# Altium PCB MB1936.PcbDoc (part 13 of 13)
Units mm, origin at the board's own origin, x right, y up, seen from the top; angles counter-clockwise.
Board outline 172 x 137 mm, 6 copper layers (Top Layer, Signal Layer 1, Signal Layer 2, Signal Layer 3, Signal Layer 4, Bottom Layer), stack 1.549 mm thick; 859 components, 672 nets, 3477 pads, 2222 vias.
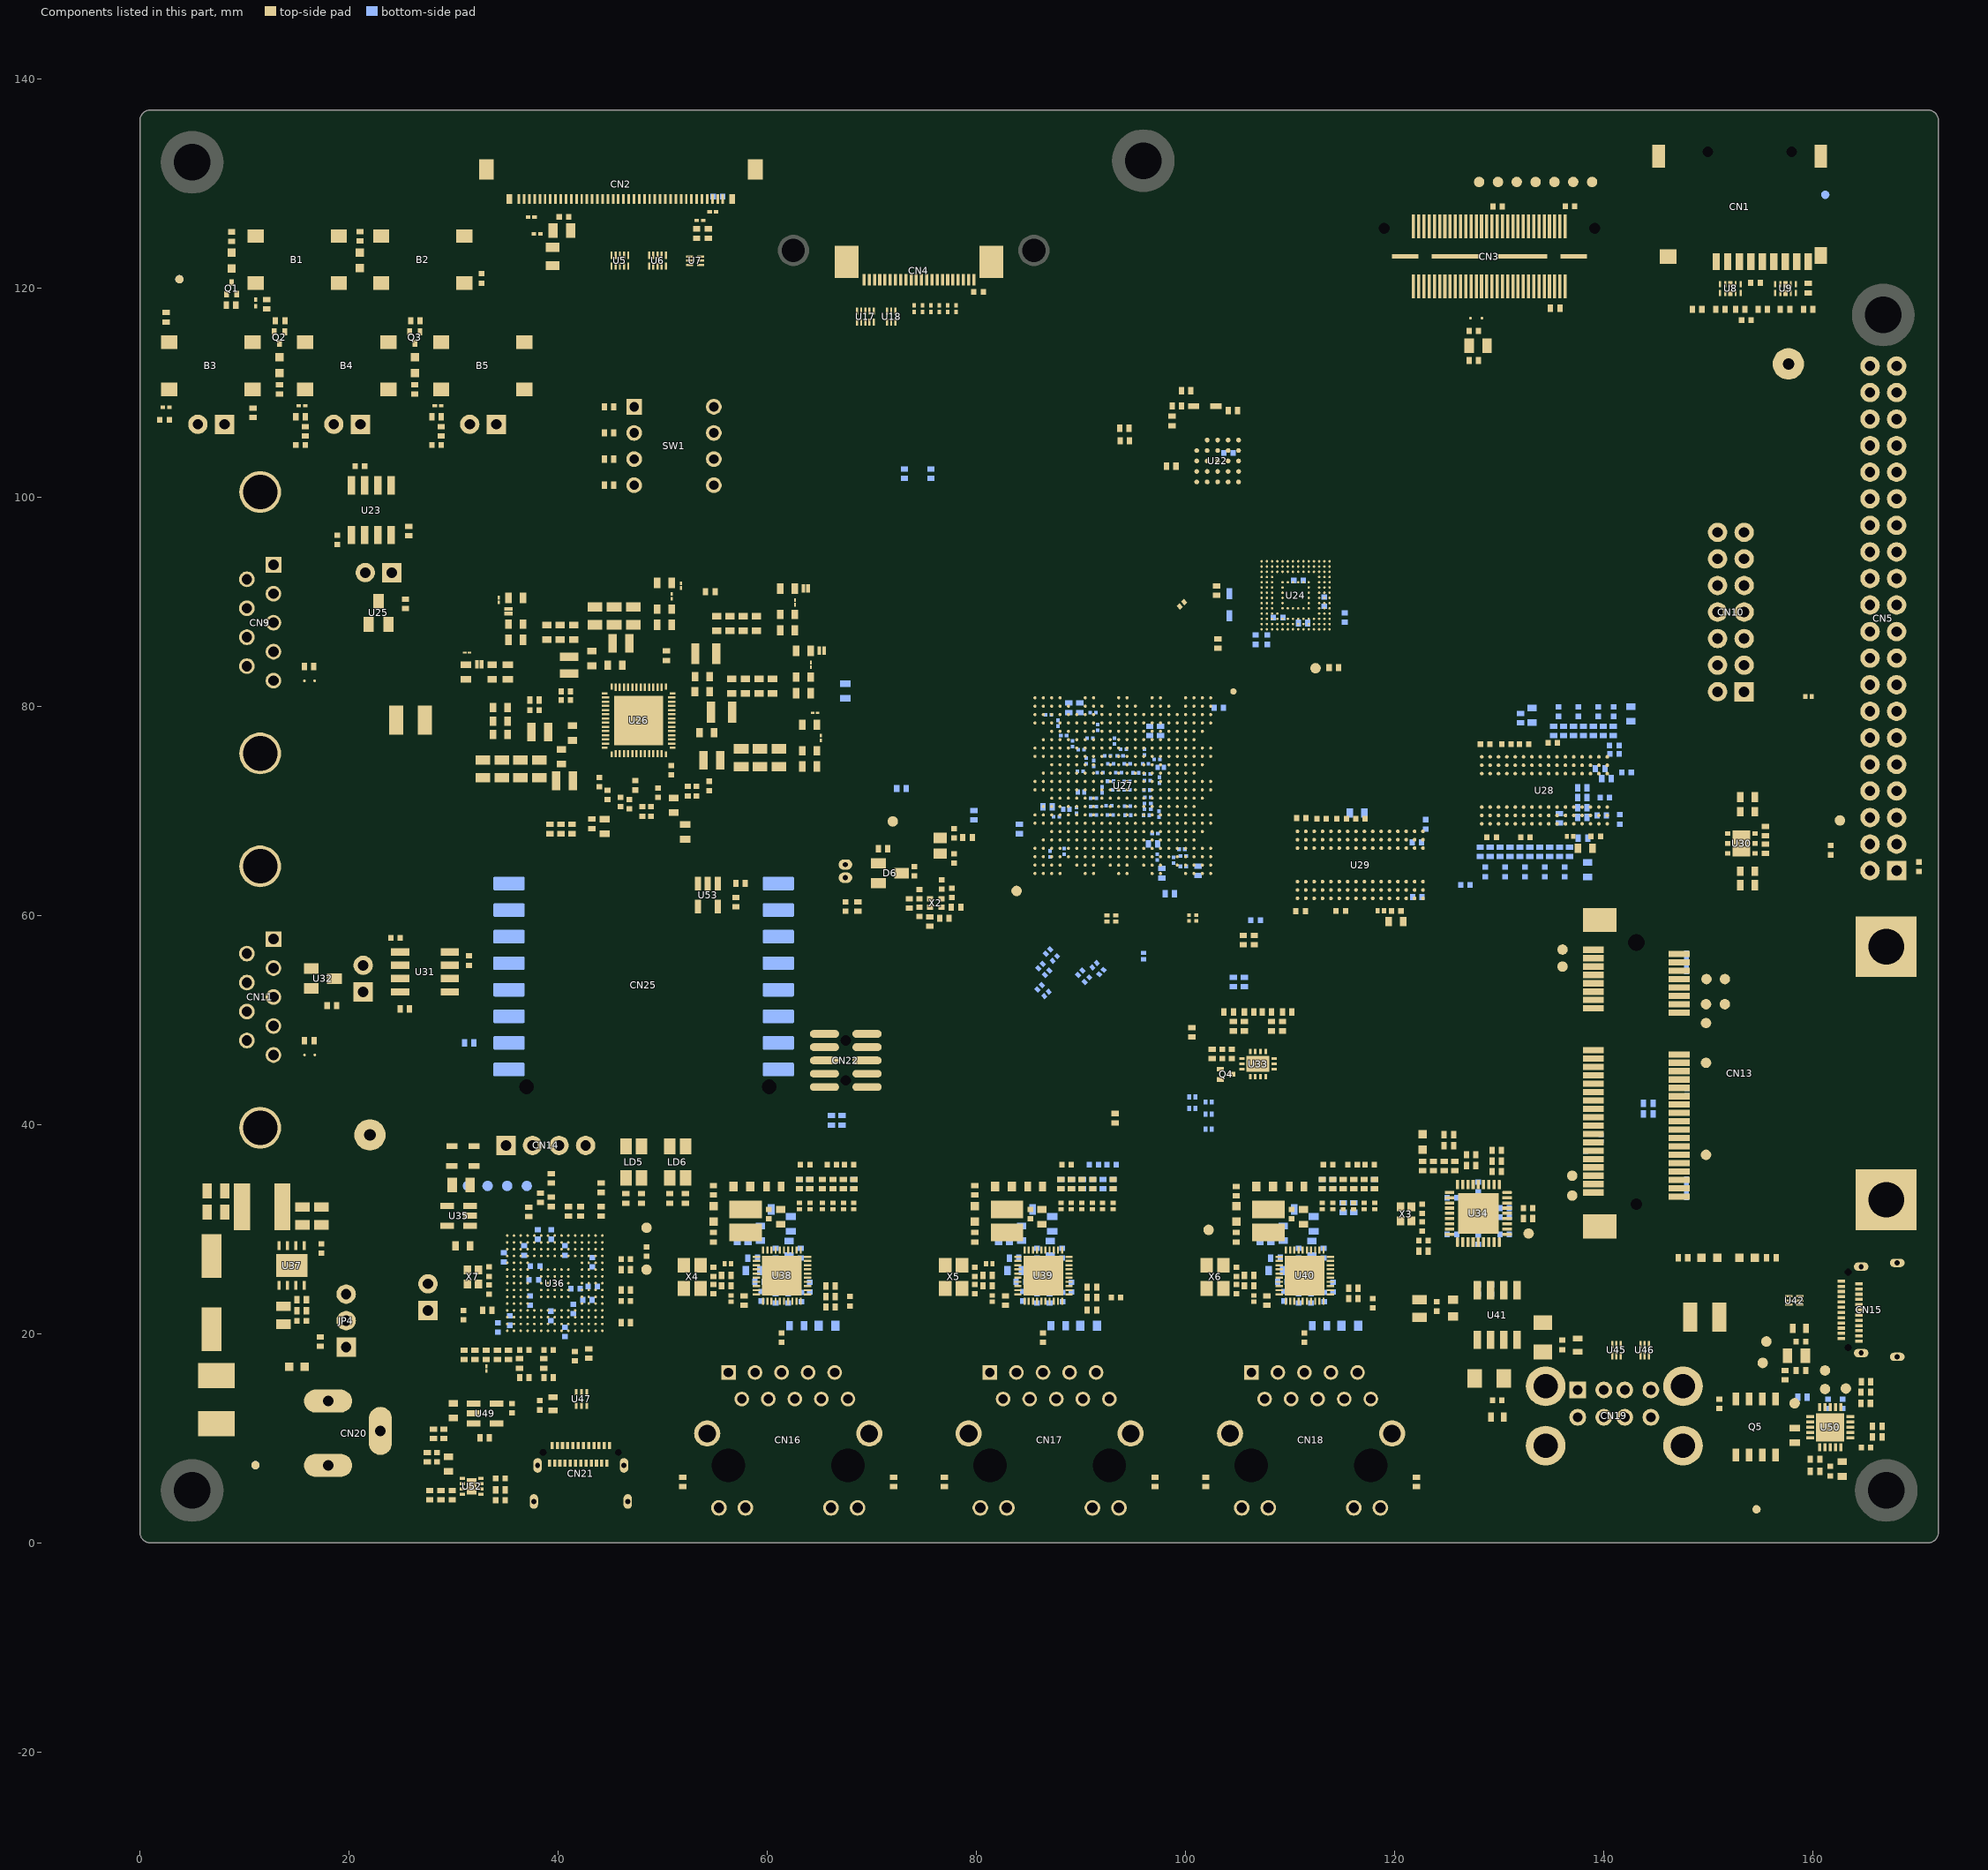
[diagram p17: the components of this part, seen from the top]

## Other copper
Top Layer:
  region net I_SENS_VDDGPU_N: 64.475,84 63.835,84 63.835,82.673 64.475,82.673
  rectangle net VDDGPU: 63.835,83.975 64.475,85.277
  region net I_SENS_VDDCORE_N: 62.95,89.95 62.31,89.95 62.31,88.973 62.95,88.973
  rectangle net VDDCORE: 62.31,89.924 62.95,90.875
  rectangle net VDDGPU: 64.4,84.9 64.95,85.7
  rectangle net VDDCORE: 62.875,90.875 63.425,91.675
  rectangle net 5V_VIN: 38.5,120.925 40.45,122.55
  rectangle net 5V_VIN: 121.675,22.8 123.075,25.2
  rectangle net 5V_VIN: 150.765,7.775 154.32,12.225
  region net NetL2_1: 51.225,80.352 51.55,80.352 52.025,80.827 52.025,83.102 52.027,83.135 52.036,83.166 52.049,83.197 52.064,83.226 52.083,83.254 52.103,83.279 52.127,83.303 52.151,83.323 52.18,83.342 52.208,83.357 52.239,83.37 52.27,83.38 52.303,83.386 52.337,83.389 52.475,83.527 52.475,83.577 52.475,83.651 cw(c52.85,83.651) 52.85,84.026 52.85,86.027 51.62,86.027 ccw(c51.8,85.727) 51.45,85.727 51.45,82.152 51.47,82.149 51.597,82.096 51.709,81.984 51.77,81.837 51.77,81.677 51.725,81.569 51.725,81.018 51.705,80.921 51.65,80.838 51.47,80.658 51.314,80.502 51.225,80.502
  region net NetL1_1: 46.772,84.702 ccw(c46.469,84.71) 46.678,84.929 46.655,84.952 46.655,85.014 46.726,85.021 ccw(c46.725,85.021) 46.725,85.022 46.875,84.902
  region net GND: 51.425,78.827 51.35,78.752 51.272,78.752 cw(c51.272,78.625) 51.362,78.715 51.388,78.689 ccw(c51.478,78.779) 51.478,78.652 52.147,78.652 cw(c52.147,78.525) 52.237,78.615 52.3,78.552 52.429,78.681 cw(c52.48,78.63) 52.48,78.702
  region net 5V_VIN: 53.525,82.152 53.525,83.227 52.352,83.227 ccw(c52.352,83.055) 52.18,83.054 52.18,80.646 51.706,80.172 51.47,80.172 51.47,79.907 52.076,79.907 52.547,80.378 52.549,80.365 52.55,80.366 52.55,81.486 52.539,81.497 52.496,81.563 52.465,81.635 52.45,81.713 52.45,81.827 cw(c52.813,81.789) 52.775,82.152
  region net 5V_VIN: 44.43,83.351 44.331,83.252 43.975,83.252 cw(c43.975,83.602) 43.625,83.602 43.625,83.652 42.9,83.652 ccw(c42.9,83.577) 42.825,83.577 42.825,83.227 ccw(c43.027,83.224) 43.025,83.022 45.65,83.022 46.05,82.627 46.312,82.627 45.591,83.348 45.325,83.352
  region net GND: 44.1,82.512 44.007,82.512 ccw(c44.007,82.411) 43.935,82.482 43.655,82.202 ccw(c43.727,82.13) 43.625,82.13 43.625,81.802 44.125,81.802 cw(c44.523,81.809) 44.515,82.207 44.775,82.202 ccw(c44.775,82.25) 44.809,82.216 44.905,82.312
  pour cut-out: 29.525,11.23 29.525,9.62 29.505,9.6 29.1,9.6 28.805,9.305 28.805,7.521 27.074,7.521 26.975,7.62 26.975,8.975 27.62,9.62 27.62,11.23
  region net NetL4_1: 53.725,80.427 53.725,78.427 54.634,78.427 54.634,80.427
  region net NetL3_1: 41.775,81.802 40.588,82.989 41.688,82.989 41.775,82.902 45.38,82.902 45.62,82.662 43.99,82.662 43.968,82.66 43.948,82.656 43.92,82.647 43.901,82.64 43.875,82.626 43.858,82.615 43.835,82.596 43.541,82.301 43.522,82.279 43.511,82.262 43.502,82.246 43.49,82.217 43.486,82.205 43.481,82.189 43.477,82.169 43.476,82.154 43.474,82.14 43.474,81.802
  region net NetL3_1: 42.983,82.872 42.954,82.875 42.925,82.884 42.851,82.916 42.825,82.93 42.803,82.949 42.747,83.007 42.728,83.03 42.714,83.056 42.688,83.121 42.681,83.143 42.658,83.174 42.633,83.194 42.597,83.218 42.551,83.227 41.775,83.227 41.775,82.09
  region net NetL7_1: 42.075,73.177 41.775,72.877 41,72.877 41,73.777 42.075,74.847
  region net NetL1_1: 47.195,85.102 46.85,84.757 46.395,85.212 46.395,86.902 47.195,86.902
  region net NetL5_1: 38.625,78.775 38.85,79 40.225,79 40.225,77.15 39.702,76.627 39.425,76.627 38.625,76.627
  region net I_SENS_1V8_N: 50.535,90.475 50.535,89.277 51.175,89.277 51.175,90.475
  region net I_SENS_VDDIO_N: 65.025,76.975 64.435,76.385 64.435,76.172 65.075,76.172 65.803,76.9 65.902,76.9 65.827,76.975
  region net VDDIO: 65.827,76.975 65.902,76.9 66,76.9 66.125,77.025 65.047,78.103 64.775,78.103 64.775,78.067 64.441,77.733 65.025,77.15 65.025,76.975
  region net VDDCPU: 36.44,92.248 36.715,92.248 36.84,92.123 36.84,91.123 36.722,91.005 35.692,91.005 35.565,90.878 35.565,90.83 34.945,90.83 34.77,91.005 34.77,92.078 34.94,92.248
  region net GND: 50.3,70.052 50.395,70.147 50.7,70.147 50.7,69.507 50.345,69.507 50.3,69.552 50.05,69.552 50.05,70.052
  region net VDDGPU: 63.68,86.92 63.935,87.175 65.7,87.175 65.85,87.025 65.85,86.075 65.695,85.92 64.59,85.92 64.475,85.805 64.475,85.757 63.855,85.757 63.68,85.932
  region net VDDCORE: 63.825,93.15 64.1,93.15 64.225,93.025 64.225,92.025 64.05,91.85 63.02,91.85 62.95,91.78 62.95,91.732 62.33,91.732 62.155,91.907 62.155,92.98 62.325,93.15
  region net GND: 32.825,75.625 32.675,75.475 32.675,75.225 33.5,75.225 33.5,75.7 33.325,75.875 32.825,75.875
  region net GND: 32.825,75.625 32.975,75.475 32.975,75.225 32.1,75.225 32.1,75.65 32.325,75.875 32.825,75.875
  region net GND: 34.625,75.625 34.475,75.475 34.475,75.225 35.3,75.225 35.3,75.7 35.125,75.875 34.625,75.875
  region net GND: 34.625,75.625 34.775,75.475 34.775,75.225 33.9,75.225 33.9,75.65 34.125,75.875 34.625,75.875
  region net GND: 36.425,75.625 36.275,75.475 36.275,75.225 37.1,75.225 37.1,75.7 36.925,75.875 36.425,75.875
  region net GND: 36.425,75.625 36.575,75.475 36.575,75.225 35.7,75.225 35.7,75.65 35.925,75.875 36.425,75.875
  region net GND: 38.225,75.625 38.075,75.475 38.075,75.225 38.9,75.225 38.9,75.7 38.725,75.875 38.225,75.875
  region net GND: 38.225,75.625 38.375,75.475 38.375,75.225 37.5,75.225 37.5,75.65 37.725,75.875 38.225,75.875
  region net VDD_DDR: 30.675,84.297 30.559,84.297 30.206,84.65 29.075,84.65 29.075,84.297 29.075,83.657 29.075,83.3 30.271,83.3 30.628,83.657 31.052,83.657 31.052,84.297
  region net 1V8: 51.175,93.025 51.625,93.025 51.75,92.9 51.75,92.5 51.65,92.4 51.25,92.4 51.175,92.325 51.175,90.475 50.535,90.475 50.535,92.44 50.4,92.575 50.4,92.9 50.525,93.025 50.7,93.025
  region net GND: 41.125,75.779 40.93,75.974 40.93,76.429 41.82,76.429 41.82,75.974 41.625,75.779
  region net GND: 39.15,88.7 39.345,88.505 39.345,88.05 38.455,88.05 38.455,88.505 38.65,88.7
  region net GND: 40.45,88.7 40.645,88.505 40.645,88.05 39.755,88.05 39.755,88.505 39.95,88.7
  region net GND: 41.75,88.7 41.945,88.505 41.945,88.05 41.055,88.05 41.055,88.505 41.25,88.7
  region net GND: 61.08,76.702 61.23,76.552 61.23,76.302 60.4,76.302 60.4,76.772 60.58,76.952 61.08,76.952
  region net GND: 61.08,76.702 60.93,76.552 60.93,76.302 61.8,76.302 61.8,76.732 61.58,76.952 61.08,76.952
  region net GND: 59.28,76.702 59.43,76.552 59.43,76.302 58.6,76.302 58.6,76.772 58.78,76.952 59.28,76.952
  region net GND: 59.28,76.702 59.13,76.552 59.13,76.302 60,76.302 60,76.732 59.78,76.952 59.28,76.952
  region net GND: 57.48,76.702 57.33,76.552 57.33,76.302 58.2,76.302 58.2,76.732 57.98,76.952 57.48,76.952
  region net 5V_VIN: 40.625,78.352 40.72,78.447 41.364,78.447 41.364,77.807 40.375,77.807 40.375,78.352
  region net GND: 47.225,90.252 47.375,90.102 47.375,89.852 46.5,89.852 46.5,90.277 46.725,90.502 47.225,90.502
  region net GND: 47.225,90.252 47.075,90.102 47.075,89.852 47.9,89.852 47.9,90.327 47.725,90.502 47.225,90.502
  region net GND: 45.375,90.252 45.525,90.102 45.525,89.852 44.65,89.852 44.65,90.277 44.875,90.502 45.375,90.502
  region net GND: 45.375,90.252 45.225,90.102 45.225,89.852 46.05,89.852 46.05,90.327 45.875,90.502 45.375,90.502
  region net GND: 60.75,83.652 60.945,83.457 60.945,82.602 60.055,82.602 60.055,83.457 60.25,83.652
  region net GND: 59.45,83.652 59.645,83.457 59.645,82.602 58.755,82.602 58.755,83.457 58.95,83.652
  region net GND: 58.15,83.652 58.345,83.457 58.345,82.602 57.455,82.602 57.455,83.457 57.65,83.652
  region net GND: 56.85,83.652 57.045,83.457 57.045,82.602 56.155,82.602 56.155,83.457 56.35,83.652
  region net GND: 55.5,81.152 55.305,80.957 54.45,80.957 54.45,81.847 55.305,81.847 55.5,81.652
  region net GND: 55.525,82.577 55.33,82.382 54.475,82.382 54.475,83.272 55.33,83.272 55.525,83.077
  region net GND: 55.4,89.627 55.595,89.432 55.595,88.577 54.705,88.577 54.705,89.432 54.9,89.627
  region net GND: 56.675,89.627 56.87,89.432 56.87,88.577 55.98,88.577 55.98,89.432 56.175,89.627
  region net GND: 57.95,89.627 58.145,89.432 58.145,88.577 57.255,88.577 57.255,89.432 57.45,89.627
  region net GND: 59.225,89.627 59.42,89.432 59.42,88.577 58.53,88.577 58.53,89.432 58.725,89.627
  region net GND: 55.702,77.202 55.507,77.007 55.2,77.007 55.2,77.897 55.675,77.897 55.87,77.702 55.87,77.202
  region net GND: 32.8,80.127 32.995,80.322 33.775,80.322 33.775,79.432 32.995,79.432 32.8,79.627
  region net GND: 32.8,78.827 32.995,79.022 33.775,79.022 33.775,78.132 32.995,78.132 32.8,78.327
  region net 5V_VIN: 53.325,80.077 52.75,79.502 52.075,79.502 52.075,79.677 52.6,80.202
  region net GND: 39.3,75.577 39.345,75.532 39.905,75.532 39.95,75.577 39.95,76.172 39.645,76.172 39.55,76.077 39.3,76.077
  region net 5V_VIN: 39.3,74.775 39.95,74.775 39.95,74.132 39.645,74.132 39.55,74.227 39.3,74.227
  region net GND: 32.8,77.527 32.995,77.722 33.775,77.722 33.775,76.832 32.995,76.832 32.8,77.027
  region net GND: 43.8,84.15 43.997,84.347 44.45,84.347 44.45,83.457 43.993,83.457 43.8,83.65
  region net GND: 52.03,78.952 52.48,78.952 52.48,78.652 52.355,78.527 52.18,78.702 52.03,78.702
  region net 5V_VIN: 53.35,81.752 53.395,81.707 53.395,81.352 52.755,81.352 52.755,81.657 52.85,81.752 52.85,82.002 53.35,82.002
  region net 5V_VIN: 53.275,76.702 53.125,76.852 53.125,77.102 53.82,77.102 53.82,76.747 53.775,76.702 53.775,76.452 53.275,76.452
  region net GND: 57.48,76.702 57.63,76.552 57.63,76.302 56.8,76.302 56.8,76.772 56.98,76.952 57.48,76.952
  region net 5V_VIN: 53.275,76.702 53.275,76.952 52.375,77.852 53.125,77.852 53.447,77.53
  region net 5V_VIN: 53.395,81.002 53.395,80.147 53.325,80.077 53.2,80.202 52.6,80.202 52.755,80.357 52.755,81.002
  region net 5V_VIN: 46.375,84.652 46.47,84.557 46.47,84.252 45.83,84.252 45.83,84.607 45.875,84.652 45.875,84.902 46.375,84.902
  pour cut-out: 63.18,74.752 56.83,74.752 56.83,75.402 63.18,75.402
  pour cut-out: 32.1,73.6 38.75,73.6 38.75,74.4 32.1,74.4
  region net 5V_VIN: 53.375,83.577 53.525,83.427 53.525,83.177 52.725,83.177 52.725,83.427 52.875,83.577 52.875,83.827 53.375,83.827
  region net GND: 43.475,86.2 43.67,86.005 43.67,85.55 42.78,85.55 42.78,86.005 42.975,86.2
  region net 5V_VIN: 42.475,84.127 42.52,84.172 42.875,84.172 42.875,83.477 42.625,83.477 42.475,83.627 42.225,83.627 42.225,84.127
  region net GND: 51.121,81.483 51.22,81.483 51.249,81.48 51.278,81.471 51.304,81.457 51.327,81.439 51.345,81.416 51.37,81.382 51.37,81.057 51.47,81.057 51.47,81.757 51.121,81.757
  region net 5V_VIN: 46.625,82.552 46.6,82.552 45.83,83.322 45.83,83.652 46.47,83.652 46.47,83.432 46.6,83.302 46.6,82.752
  region net GND: 44.775,82.202 44.44,82.202 44.44,82.212
  region net GND: 43.525,90.252 43.375,90.102 43.375,89.852 44.2,89.852 44.2,90.327 44.025,90.502 43.525,90.502
  region net GND: 43.525,90.252 43.675,90.102 43.675,89.852 42.8,89.852 42.8,90.277 43.025,90.502 43.525,90.502
  pour cut-out: 55.1,75.902 54.3,75.902 54.3,73.802 55.1,73.802
  pour cut-out: 56.155,80.277 55.095,80.277 55.095,78.177 56.155,78.177
  pour cut-out: 54.645,86.077 53.585,86.077 53.585,83.977 54.645,83.977
  pour cut-out: 41.14,73.927 40.08,73.927 40.08,71.827 41.14,71.827
  pour cut-out: 46.355,87.052 45.635,87.052 45.635,84.952 46.355,84.952
  pour cut-out: 40,84.432 40,83.372 42.1,83.372 42.1,84.432
  pour cut-out: 40.7,75.427 38.75,75.427 38.75,74.852 40.7,74.852
  region net 5V_VIN: 42.075,75.727 41.916,75.727 41.889,75.701 41.848,75.669 41.802,75.642 41.754,75.622 41.703,75.609 41.651,75.602 41.625,75.601 41.125,75.601 41.099,75.602 41.047,75.609 40.996,75.622 40.948,75.642 40.902,75.669 40.861,75.701 40.85,75.277 40.85,74.772 40.575,74.772 40.575,74.132 41.03,74.132 41.799,74.901 41.799,75.011 41.803,75.054 41.813,75.097 41.829,75.137 41.852,75.173 41.88,75.206 42.238,75.564
  pour cut-out: 37.695,76.477 38.755,76.477 38.755,78.577 37.695,78.577
  pour cut-out: 55.055,75.702 56.83,75.702 56.83,74.427 55.5,74.427
  pour cut-out: 73.075,61.98 77.094,61.98 77.098,61.976 77.374,61.976 77.65,61.7 77.65,60.35 76.77,59.47 73.69,59.47 73.075,60.085
  pour cut-out: 75.75,68.05 75.75,65.25 78.28,65.25 78.28,68.05
  pour cut-out: 12.583,29.813 10.7,29.813 10.7,34.525 10.988,34.525 11.038,34.575 11.038,30.133 11.31,29.86 12.535,29.86
  pour cut-out: 13.025,28.975 13.025,27.6 16.025,27.6 16.025,27.825 13.745,27.825 13.725,27.845 13.725,28.575 13.325,28.975 13.29,28.975
  pour cut-out: 13.025,25.175 13.025,25.4 16.025,25.4 16.025,23.825 15.925,23.725 13.181,23.725 13.019,23.887
  pour cut-out: 34.725,29.25 34.725,29.775 44.65,29.775 44.65,19.85 34.725,19.85
  pour cut-out: 106.875,94 107.125,94.25 114,94.25 114.175,94.075 114.175,87.1 114,86.925 107.15,86.925 106.875,87.2
  pour cut-out: 105.474,100.794 105.7,101.02 105.7,105.75 105.45,106 100.7,106 100.375,105.675 100.375,101.05 100.616,100.809
  pour cut-out: 105.294,61.106 107.785,61.106 109.726,59.165 116.307,59.165 117.465,60.323 123.465,60.323 125.578,62.435 125.578,65.203 126.003,65.628 134.069,65.628 136.445,68.004 141.215,68.004 143.2,69.989 143.2,70.147 143.205,70.152 143.205,76.09 138.963,80.333 104.025,80.333 104.025,81.125 103.65,81.5 85,81.5 85,63.4 103,63.4
  text "1" at 134.025,133.811 h2
Signal Layer 1:
  text "2" at 135.31,133.811 h2
Signal Layer 2:
  text "3" at 136.817,133.822 h2
Signal Layer 3:
  text "4" at 139.179,133.814 h2
Signal Layer 4:
  text "5" at 140.66,133.833 h2
Bottom Layer:
  pour cut-out: 89.032,64.582 90.15,65.7 90.325,65.7 90.325,59.611 90.175,59.461 89.689,59.461 89.032,60.118
  pour cut-out: 126.357,79.378 131.948,79.378 132.025,79.3 132.025,69.1 131.125,68.2 129.69,68.2 127.571,66.075 127.571,64.967 126.147,63.544 126.147,61.831 122.294,57.978 113.123,57.978 110.435,60.666 109.939,60.666 109.448,60.175 105.551,60.175 102.4,63.326 102.4,63.45 99.925,65.925 99.925,66.325 97.5,68.75 97.5,75.901 99.265,77.665 107.979,77.665 114.492,71.151 118.131,71.151
  text "6" at 142.159,133.822 h2

## Silkscreen, mask and mechanical layers (free items; w line width, h text height)
Top Overlay:
  lines w0.12: 155.375,20.45 155.375,23.475 ; 155.375,21.325 156.775,19.925 156.4,19.925 ; 156.775,19.95 156.775,20.375
  text "LVDS" at 43.826,132.909 h2
  text "DSI" at 118.358,128.059 h2
  text "CSI" at 73.083,126.709 h2
  text "RESET" at 12.562,126.134 h2
  text "WAKE UP" at 22.754,126.12 h2
  text "SDcard" at 162.691,124.847 h2 r90
  text "E" at 106.85,124.765 h12
  text "I" at 97.588,117.475 h15
  text "USER1" at 30.171,116.009 h2
  text "TAMPER" at 3.225,115.884 h2
  text "USER2" at 17.154,115.859 h2
  text "G" at 88.2,115.665 h11
  text "H" at 106.15,114.425 h15
  text "C" at 111.266,108.272 h11
  text "0" at 56.483,108.018 h2
  text "1" at 56.664,105.507 h2
  text "2" at 56.474,103.007 h2
  text "3" at 56.481,100.518 h2
  text "BOOT" at 48.751,97.159 h2
  text "1V8" at 155.384,96.151 h1.5
  text "DDR" at 155.402,93.599 h1.5
  text "GPU" at 155.431,91.059 h1.5
  text "GND" at 155.375,88.519 h1.5
  text "FDCAN1" at 16.891,88.258 h2 r90
  text "CORE" at 155.35,85.964 h1.5
  text "CPU" at 155.465,83.439 h1.5
  text "VDDIO" at 155.334,81.394 h1.5
  text "GPIO" at 163.166,79.151 h2 r90
  text "PWR meas" at 147.849,77.264 h2
  text "VBAT" at 65.163,66.609 h2
  text "FDCAN2" at 17.416,57.816 h2 r90
  text "J" at 44.05,49.338 h15
  text "MB1936D" at 42.379,45.326 h3
  text "miniPCIe" at 158.518,44.809 h2
  text "MIPI10" at 64.801,41.289 h2
  text "RESERVED" at 34.02,39.884 h2
  text "USB_DRD" at 162.166,28.126 h2
  text "ETH1" at 97.918,12.948 h2 r90
  text "ETH2" at 72.918,12.831 h2 r90
  text "ETH3" at 122.907,12.825 h2 r90
  text "STLINK" at 50.416,3.61 h2 r90
  text "USB" at 150.266,1.828 h2 r90
  text "USB_PWR" at 48.474,1.708 h2 r90
  text "5V_3A" at 12.316,0.927 h2 r90
Bottom Overlay:
  lines w0.15: 97.85,68.8 97.85,69.025 ; 98.075,69.025 97.85,69.025 ; 99.3,65.2 100.525,65.2 101.125,65.8 101.725,65.8 ; 113.55,66 113.55,65.4 113.25,65.1 109.1,65.1 106.375,67.825 102.2,67.825 101.325,68.7 98.175,68.7 97.85,69.025
  lines w0.2: 113.225,65.7 113.55,66.025 113.875,65.7
  text "AN" at 64.757,62.644 h1.5
  text "PWM" at 33.25,62.519 h1.5
  text "RST" at 65.591,60.127 h1.5
  text "INT" at 33.237,60.002 h1.5
  text "RX" at 33.237,57.502 h1.5
  text "CS" at 64.768,57.502 h1.5
  text "SCK" at 65.737,55.002 h1.5
  text "TX" at 33.237,54.877 h1.5
  text "SCL" at 33.237,52.377 h1.5
  text "MISO" at 66.309,52.377 h1.5
  text "SDA" at 33.237,49.877 h1.5
  text "MOSI" at 66.249,49.877 h1.5
  text "+3V3" at 66.075,47.633 h1.5
  text "+5V" at 33.237,46.26 h1.5
  text "GND" at 65.88,45.002 h1.5
  text "GND" at 33.237,44.752 h1.5
Top Solder:
  region: 133.736,135.455 133.736,133.455 142.486,133.455 142.486,135.455
Bottom Solder:
  region: 133.736,135.455 133.736,133.455 142.486,133.455 142.486,135.455
M1-Board Shape:
  lines w0.1: 1,137 ccw(c1,136) 0,136 0,95 0,1 ccw(c1,1) 1,0 171,0 ccw(c171,1) 172,1 172,136 ccw(c171,136) 171,137 ; 1,137 1,137 ; 1,137 171,137 ; 171,137 171,137
M2-Board Dimensions:
  lines w0.1: 1,137 ccw(c1,136) 0,136 0,1 ccw(c1,1) 1,0 171,0 ccw(c171,1) 172,1 172,136 ccw(c171,136) 171,137 ; 1,137 1,137 ; 1,137 171,137 ; 171,137 171,137
Drill Drawing:
  drawing of 373 lines, arcs and shapes, not listed
  text "PCB SPECIFICATIONS :" at 3.455,183.85 h3
  text "MINIMUN PARAMETERS" at 155.325,183.145 h3
  text "PCB : TYPE 3" at 194.663,183.121 h3
  text "Layer" at 244.479,182.45 h2
  text "Name" at 252.848,182.45 h2
  text "Material" at 269.029,182.45 h2
  text "Thickness" at 283.573,182.45 h2
  text "Constant" at 295.517,182.45 h2
  text "A.   MATERIAL :" at 3.455,179.85 h3
  text "FR-4" at 41.955,179.85 h3
  text "TG-170" at 58.455,179.85 h3
  text "X  TG-150" at 76.705,179.85 h3
  text "TG-140" at 92.705,179.85 h3
  text "Top Overlay" at 252.848,178.45 h2
  text "DEFAULT" at 155.325,177.645 h3
  text "ASPECT-RATIO, AXE Z :" at 194.663,177.621 h3
  text "B.   MATERIAL FAMILY :" at 3.455,176.85 h3
  text "N/A" at 41.955,176.85 h3
  text "Top Solder" at 252.848,174.45 h2
  text "Solder Resist" at 269.029,174.45 h2
  text "0,025mm" at 283.573,174.45 h2
  text "3.5" at 295.517,174.45 h2
  text "C.   SOLDERMASK COLOR :" at 3.455,173.85 h3
  text "GREEN" at 41.955,173.85 h3
  text "X  BLUE" at 58.455,173.85 h3
  text "RED" at 76.705,173.85 h3
  text "BLACK" at 92.705,173.85 h3
  text "TRACKS : 0.100mm           / GAPS : 0.100mm" at 155.325,171.895 h3
  text "6 :1  to  8 :1 / LEVEL \"B\"" at 194.682,170.874 h3
  text "D.   SILKSCREEN COLOR :" at 3.455,170.85 h3
  text "X  WHITE" at 41.955,170.85 h3
  text "YELLOW" at 58.455,170.85 h3
  text "BLACK" at 76.705,170.85 h3
  text "1" at 244.479,170.45 h2
  text "Top Layer" at 252.848,170.45 h2
  text "0,037mm" at 283.573,170.45 h2
  text "E.   SURFACE FINISH :" at 3.455,167.85 h3
  text "X  ENIG" at 41.955,167.85 h3
  text "IMMERSION SILVER" at 58.455,167.85 h3
  text "IMMERSION TIN" at 92.705,167.85 h3
  text "BGA :" at 155.3,167.07 h3
  text "Dielectric 1" at 252.848,166.45 h2
  text "0,072mm" at 283.573,166.45 h2
  text "3.8" at 295.517,166.45 h2
  text "HASL" at 41.955,164.85 h3
  text "HASL (PB-FREE)" at 58.455,164.85 h3
  text "GOLDEN FINGER" at 92.705,164.85 h3
  text "2" at 244.478,162.45 h2
  text "Signal Layer 1" at 252.848,162.45 h2
  text "0,035mm" at 283.573,162.45 h2
  text "F.   IMPEDANCE CONTROL :" at 3.455,161.85 h3
  text "NO" at 41.955,161.85 h3
  text "X  YES" at 58.455,161.85 h3
  text "TRACKS : 0.090mm           / GAPS : 0.090mm" at 155.3,161.32 h3
  text "G.   THROUGH VIA :" at 3.455,158.85 h3
  text "PLUG THE VIAS WHICH ARE COVERED WITH SOLDERMASK ONE OR TWO SIDE." at 41.955,158.85 h3
  text "Dielectric 2" at 252.848,158.45 h2
  text "0,500mm" at 283.573,158.45 h2
  text "5" at 295.517,158.45 h2
  text "PLUG MATERIAL :" at 41.955,155.85 h3
  text "X  SOLDERMASK" at 67.455,155.85 h3
  text "NON-CONDUCTIVE EPOXY." at 92.705,155.85 h3
  text "3" at 244.479,154.45 h2
  text "Signal Layer 2" at 252.848,154.45 h2
  text "0,035mm" at 283.573,154.45 h2
  text "H.   STACK-UP :" at 3.455,152.85 h3
  text "SEE LAYER STACK-UP SEQUENCE FOR OVERALL THICKNESS." at 41.955,152.85 h3
  text "Dielectric 3" at 252.848,150.45 h2
  text "0,191mm" at 283.573,150.45 h2
  text "4.3" at 295.517,150.45 h2
  text "4" at 244.479,146.45 h2
  text "Signal Layer 3" at 252.848,146.45 h2
  text "0,035mm" at 283.573,146.45 h2
  text "Dielectric 4" at 252.848,142.45 h2
  text "0,500mm" at 283.573,142.45 h2
  text "5" at 295.517,142.45 h2
  text "5" at 244.479,138.45 h2
  text "Signal Layer 4" at 252.848,138.45 h2
  text "0,035mm" at 283.573,138.45 h2
  text "Dielectric 5" at 252.848,134.45 h2
  text "0,072mm" at 283.573,134.45 h2
  text "3.8" at 295.517,134.45 h2
  text "6" at 244.479,130.45 h2
  text "Bottom Layer" at 252.848,130.45 h2
  text "0,037mm" at 283.573,130.45 h2
  text "Bottom Solder" at 252.848,126.45 h2
  text "Solder Resist" at 269.029,126.45 h2
  text "0,025mm" at 283.573,126.45 h2
  text "3.5" at 295.517,126.45 h2
  text "Bottom Overlay" at 252.848,122.45 h2
  text "Symbol" at 183.643,106.595 h2.4
  text "Count" at 193.036,106.595 h2.4
  text "Hole Size" at 203.795,106.595 h2.4
  text "Plated" at 223.045,106.595 h2.4
  text "Hole Type" at 231.292,106.595 h2.4
  text "Drill Layer Pair" at 243.296,106.595 h2.4
  text "Via/Pad" at 266.046,106.595 h2.4
  text "Pad Shape" at 275.883,106.595 h2.4
  text "Hole Length" at 288.73,106.595 h2.4
  text "416" at 193.036,102.455 h2
  text "0.200mm (7.87mil)" at 203.795,102.455 h2
  text "PTH" at 223.045,102.455 h2
  text "Round" at 231.292,102.455 h2
  text "Top Layer - Bottom Layer" at 243.296,102.455 h2
  text "Via" at 266.046,102.455 h2
  text "Rounded" at 275.883,102.455 h2
  text "-" at 288.73,102.455 h2
  text "D" at 182.855,102.201 h1.84
  text "145" at 193.036,98.314 h2
  text "0.250mm (9.84mil)" at 203.795,98.314 h2
  text "PTH" at 223.045,98.314 h2
  text "Round" at 231.292,98.314 h2
  text "Top Layer - Bottom Layer" at 243.296,98.314 h2
  text "Via" at 266.046,98.314 h2
  text "Rounded" at 275.883,98.314 h2
  text "-" at 288.73,98.314 h2
  text "E" at 182.855,98.06 h1.84
  text "1661" at 193.036,94.173 h2
  text "0.350mm (13.78mil)" at 203.795,94.173 h2
  text "PTH" at 223.045,94.173 h2
  text "Round" at 231.292,94.173 h2
  text "Top Layer - Bottom Layer" at 243.296,94.173 h2
  text "Via" at 266.046,94.173 h2
  text "Rounded" at 275.883,94.173 h2
  text "-" at 288.73,94.173 h2
  text "F" at 182.855,93.92 h1.84
  text "2" at 193.036,90.033 h2
  text "0.500mm (19.69mil)" at 203.795,90.033 h2
  text "PTH" at 223.045,90.033 h2
  text "Round" at 231.292,90.033 h2
  text "Top Layer - Bottom Layer" at 243.296,90.033 h2
  text "Pad" at 266.046,90.033 h2
  text "Rounded" at 275.883,90.033 h2
  text "-" at 288.73,90.033 h2
  text "8" at 193.036,85.892 h2
  text "0.500mm (19.69mil)" at 203.795,85.892 h2
  text "PTH" at 223.045,85.892 h2
  text "Slot" at 231.292,85.892 h2
  text "Top Layer - Bottom Layer" at 243.296,85.892 h2
  text "Pad" at 266.046,85.892 h2
  text "Rounded" at 275.883,85.892 h2
  text "1.100mm (43.31mil)" at 288.73,85.892 h2
  text "H" at 182.855,85.639 h1.84
  text "2" at 193.036,81.752 h2
  text "0.650mm (25.59mil)" at 203.795,81.752 h2
  text "NPTH" at 223.045,81.752 h2
  text "Round" at 231.292,81.752 h2
  text "Top Layer - Bottom Layer" at 243.296,81.752 h2
  text "Pad" at 266.046,81.752 h2
  text "Rounded" at 275.883,81.752 h2
  text "-" at 288.73,81.752 h2
  text "B" at 182.855,81.498 h1.84
  text "2" at 193.036,77.611 h2
  text "0.650mm (25.59mil)" at 203.795,77.611 h2
  text "NPTH" at 223.045,77.611 h2
  text "Slot" at 231.292,77.611 h2
  text "Top Layer - Bottom Layer" at 243.296,77.611 h2
  text "Pad" at 266.046,77.611 h2
  text "Rounded" at 275.883,77.611 h2
  text "0.950mm (37.40mil)" at 288.73,77.611 h2
  text "I" at 183.162,77.357 h1.84
  text "38" at 193.036,73.47 h2
  text "0.900mm (35.43mil)" at 203.795,73.47 h2
  text "PTH" at 223.045,73.47 h2
  text "Round" at 231.292,73.47 h2
  text "Top Layer - Bottom Layer" at 243.296,73.47 h2
  text "Pad" at 266.046,73.47 h2
  text "(Mixed)" at 275.883,73.47 h2
  text "-" at 288.73,73.47 h2
  text "8" at 193.036,69.33 h2
  text "0.920mm (36.22mil)" at 203.795,69.33 h2
  text "PTH" at 223.045,69.33 h2
  text "Round" at 231.292,69.33 h2
  text "Top Layer - Bottom Layer" at 243.296,69.33 h2
  text "Pad" at 266.046,69.33 h2
  text "(Mixed)" at 275.883,69.33 h2
  text "-" at 288.73,69.33 h2
  text "4" at 193.036,65.189 h2
  text "1.000mm (39.37mil)" at 203.795,65.189 h2
  text "NPTH" at 223.045,65.189 h2
  text "Round" at 231.292,65.189 h2
  text "Top Layer - Bottom Layer" at 243.296,65.189 h2
  text "Pad" at 266.046,65.189 h2
  text "Rounded" at 275.883,65.189 h2
  text "-" at 288.73,65.189 h2
  text "103" at 193.036,61.049 h2
  text "1.000mm (39.37mil)" at 203.795,61.049 h2
  text "PTH" at 223.045,61.049 h2
  text "Round" at 231.292,61.049 h2
  text "Top Layer - Bottom Layer" at 243.296,61.049 h2
  text "Pad" at 266.046,61.049 h2
  text "Rounded" at 275.883,61.049 h2
  text "-" at 288.73,61.049 h2
  text "3" at 193.036,56.908 h2
  text "1.000mm (39.37mil)" at 203.795,56.908 h2
  text "PTH" at 223.045,56.908 h2
  text "Slot" at 231.292,56.908 h2
  text "Top Layer - Bottom Layer" at 243.296,56.908 h2
  text "Pad" at 266.046,56.908 h2
  text "Rounded" at 275.883,56.908 h2
  text "3.500mm (137.79mil)" at 288.73,56.908 h2
  text "2" at 193.036,52.767 h2
  text "1.050mm (41.34mil)" at 203.795,52.767 h2
  text "NPTH" at 223.045,52.767 h2
  text "Round" at 231.292,52.767 h2
  text "Top Layer - Bottom Layer" at 243.296,52.767 h2
  text "Pad" at 266.046,52.767 h2
  text "Rounded" at 275.883,52.767 h2
  text "-" at 288.73,52.767 h2
  text "1" at 193.036,48.627 h2
  text "1.100mm (43.31mil)" at 203.795,48.627 h2
  text "NPTH" at 223.045,48.627 h2
  text "Round" at 231.292,48.627 h2
  text "Top Layer - Bottom Layer" at 243.296,48.627 h2
  text "Pad" at 266.046,48.627 h2
  text "Rounded" at 275.883,48.627 h2
  text "-" at 288.73,48.627 h2
  text "2" at 193.036,44.486 h2
  text "1.100mm (43.31mil)" at 203.795,44.486 h2
  text "PTH" at 223.045,44.486 h2
  text "Round" at 231.292,44.486 h2
  text "Top Layer - Bottom Layer" at 243.296,44.486 h2
  text "Pad" at 266.046,44.486 h2
  text "Rounded" at 275.883,44.486 h2
  text "-" at 288.73,44.486 h2
  text "2" at 193.036,40.346 h2
  text "1.400mm (55.12mil)" at 203.795,40.346 h2
  text "NPTH" at 223.045,40.346 h2
  text "Round" at 231.292,40.346 h2
  text "Top Layer - Bottom Layer" at 243.296,40.346 h2
  text "Pad" at 266.046,40.346 h2
  text "Rounded" at 275.883,40.346 h2
  text "-" at 288.73,40.346 h2
  text "A" at 182.855,40.092 h1.84
  text "1" at 193.036,36.205 h2
  text "1.600mm (62.99mil)" at 203.795,36.205 h2
  text "NPTH" at 223.045,36.205 h2
  text "Round" at 231.292,36.205 h2
  text "Top Layer - Bottom Layer" at 243.296,36.205 h2
  text "Pad" at 266.046,36.205 h2
  text "Rounded" at 275.883,36.205 h2
  text "-" at 288.73,36.205 h2
  text "6" at 193.036,32.064 h2
  text "1.700mm (66.93mil)" at 203.795,32.064 h2
  text "PTH" at 223.045,32.064 h2
  text "Round" at 231.292,32.064 h2
  text "Top Layer - Bottom Layer" at 243.296,32.064 h2
  text "Pad" at 266.046,32.064 h2
  text "Rounded" at 275.883,32.064 h2
  text "-" at 288.73,32.064 h2
  text "2" at 193.036,27.924 h2
  text "2.200mm (86.61mil)" at 203.795,27.924 h2
  text "PTH" at 223.045,27.924 h2
  text "Round" at 231.292,27.924 h2
  text "Top Layer - Bottom Layer" at 243.296,27.924 h2
  text "Pad" at 266.046,27.924 h2
  text "Rounded" at 275.883,27.924 h2
  text "-" at 288.73,27.924 h2
  text "G" at 182.855,27.67 h1.84
  text "4" at 193.036,23.783 h2
  text "2.330mm (91.73mil)" at 203.795,23.783 h2
  text "PTH" at 223.045,23.783 h2
  text "Round" at 231.292,23.783 h2
  text "Top Layer - Bottom Layer" at 243.296,23.783 h2
  text "Pad" at 266.046,23.783 h2
  text "Rounded" at 275.883,23.783 h2
  text "-" at 288.73,23.783 h2
  text "6" at 193.036,19.643 h2
  text "3.200mm (125.98mil)" at 203.795,19.643 h2
  text "NPTH" at 223.045,19.643 h2
  text "Round" at 231.292,19.643 h2
  text "Top Layer - Bottom Layer" at 243.296,19.643 h2
  text "Pad" at 266.046,19.643 h2
  text "Rounded" at 275.883,19.643 h2
  text "-" at 288.73,19.643 h2
  text "4" at 193.036,15.502 h2
  text "3.300mm (129.92mil)" at 203.795,15.502 h2
  text "PTH" at 223.045,15.502 h2
  text "Round" at 231.292,15.502 h2
  text "Top Layer - Bottom Layer" at 243.296,15.502 h2
  text "Pad" at 266.046,15.502 h2
  text "Rounded" at 275.883,15.502 h2
  text "-" at 288.73,15.502 h2
  text "2" at 193.036,11.361 h2
  text "3.400mm (133.86mil)" at 203.795,11.361 h2
  text "PTH" at 223.045,11.361 h2
  text "Round" at 231.292,11.361 h2
  text "Top Layer - Bottom Layer" at 243.296,11.361 h2
  text "Pad" at 266.046,11.361 h2
  text "Rectangle" at 275.883,11.361 h2
  text "-" at 288.73,11.361 h2
  text "J" at 182.855,11.108 h1.84
  text "5" at 193.036,7.221 h2
  text "3.500mm (137.79mil)" at 203.795,7.221 h2
  text "PTH" at 223.045,7.221 h2
  text "Round" at 231.292,7.221 h2
  text "Top Layer - Bottom Layer" at 243.296,7.221 h2
  text "Pad" at 266.046,7.221 h2
  text "Rounded" at 275.883,7.221 h2
  text "-" at 288.73,7.221 h2
  text "C" at 182.855,6.967 h1.84
  text "2429 Total" at 193.036,3.08 h2
  text "Slot definitions :" at 183.643,0.182 h2
  text "Routed Path Length" at 197.277,0.182 h2
  text "= Calculated from tool start centre position to tool end centre position." at 214.167,0.182 h2
  text "Hole Length" at 197.277,-1.475 h2
  text "= Routed Path Length + Tool Size = Slot length as defined in the PCB layout" at 207.898,-1.475 h2

## Dimensions
0,136 to 172,136 on M2-Board Dimensions
1,0 to 1,137 on M2-Board Dimensions

## Text inside footprints (layer, text, board x,y; h text height)
B1: Top Overlay "1" at 18.575,121.375 h1.5; M14-Top Assembly "4" at 10.433,125.425 h1.5 r180; M14-Top Assembly "2" at 10.413,120.865 h1.5 r180; M14-Top Assembly "3" at 20.268,125.43 h1.5 r180; M14-Top Assembly "1" at 20.053,120.905 h1.5 r180
B2: Top Overlay "1" at 23.273,123.125 h1.5; M14-Top Assembly "4" at 31.663,119.975 h1.5; M14-Top Assembly "2" at 31.683,124.535 h1.5; M14-Top Assembly "3" at 21.828,119.97 h1.5; M14-Top Assembly "1" at 22.043,124.495 h1.5
B3: Top Overlay "1" at 10.475,111.2 h1.5; M14-Top Assembly "4" at 2.173,115.275 h1.5 r180; M14-Top Assembly "2" at 2.153,110.715 h1.5 r180; M14-Top Assembly "3" at 12.007,115.28 h1.5 r180; M14-Top Assembly "1" at 11.792,110.755 h1.5 r180
B4: Top Overlay "1" at 16.013,112.975 h1.5; M14-Top Assembly "4" at 24.402,109.825 h1.5; M14-Top Assembly "2" at 24.422,114.385 h1.5; M14-Top Assembly "3" at 14.567,109.82 h1.5; M14-Top Assembly "1" at 14.783,114.345 h1.5
B5: Top Overlay "1" at 29.013,112.975 h1.5; M14-Top Assembly "4" at 37.403,109.825 h1.5; M14-Top Assembly "2" at 37.423,114.385 h1.5; M14-Top Assembly "3" at 27.568,109.82 h1.5; M14-Top Assembly "1" at 27.783,114.345 h1.5
CART-1: M20-Top Sheet Box "Variant: '.VariantName'" at 37.308,-24.577 h3; M20-Top Sheet Box "Gerber:" at 77.297,-19.577 h3; M20-Top Sheet Box "Layer:" at 37.308,-19.577 h3; M20-Top Sheet Box "R" at 122.804,-27.059 h1.52; M20-Top Sheet Box "Date: '.Board_Document_Date'" at 37.308,-29.577 h3; M20-Top Sheet Box "Ref: '.Board_Reference'" at 77.424,-24.577 h3; M20-Top Sheet Box "Rev: '.Board_PCB_Revision'" at 77.367,-29.577 h3; M20-Top Sheet Box "Project: '.Board_Name'" at 37.308,-14.493 h3; M21-Bottom Sheet Box "Project: '.Board_Name'" at 125.114,-14.493 h3; M21-Bottom Sheet Box "Rev: '.Board_PCB_Revision'" at 85.182,-29.577 h3; M21-Bottom Sheet Box "Ref: '.Board_Reference'" at 85.125,-24.577 h3; M21-Bottom Sheet Box "Date: '.Board_Document_Date'" at 125.114,-29.577 h3; M21-Bottom Sheet Box "R" at 39.999,-27.059 h1.52; M21-Bottom Sheet Box "Layer:" at 125.113,-19.577 h3; M21-Bottom Sheet Box "Gerber:" at 85.125,-19.577 h3; M21-Bottom Sheet Box "Variant: '.VariantName'" at 125.114,-24.577 h3
CN1: Top Overlay "1" at 150.525,123.825 h1.5; Top Overlay "9" at 159.3,124.55 h1.5 r180; Top Overlay "1" at 149.75,121.4 h1.5; M14-Top Assembly "9" at 159.7,123.1 h0.75 r180; M14-Top Assembly "8" at 158.625,123.1 h0.75 r180; M14-Top Assembly "7" at 157.525,123.1 h0.75 r180; M14-Top Assembly "6" at 156.4,123.1 h0.75 r180; M14-Top Assembly "5" at 155.325,123.1 h0.75 r180; M14-Top Assembly "4" at 154.225,123.1 h0.75 r180; M14-Top Assembly "3" at 153.125,123.1 h0.75 r180; M14-Top Assembly "2" at 152.025,123.1 h0.75 r180; M14-Top Assembly "1" at 150.8,123.1 h0.75 r180; M14-Top Assembly "ATOM" at 152,124.725 h1.5; M14-Top Assembly "10" at 161.1,123.2 h0.75 r180; M14-Top Assembly "11" at 160.975,132.75 h0.75 r180; M14-Top Assembly "12" at 145.7,132.775 h0.75 r180; M14-Top Assembly "13" at 146.5,123.175 h0.75 r180; M7-Top Info "EDGE" at 146,138 h0.8 r180; M7-Top Info "PCB" at 163,138 h0.8 r180
CN2: Top Overlay "40" at 31.45,128.05 h1.2; Top Overlay "1" at 59.35,128.15 h1.2; M14-Top Assembly "40" at 36.875,129.65 h1.2 r180; M14-Top Assembly "1" at 55.961,129.606 h1.2 r180
CN3: Top Overlay "1" at 117.45,119.3 h1.5; Top Overlay "2" at 117.2,125.95 h1.5; M14-Top Assembly "1" at 121.925,120.475 h1.2 r180; M14-Top Assembly "59" at 136.825,120.45 h1.2 r180; M14-Top Assembly "60" at 136.825,126.275 h1.2 r180; M14-Top Assembly "2" at 122.05,126.3 h1.2 r180
CN4: Top Overlay "1" at 68.325,119.8 h1.5; Top Overlay "22" at 81.692,119.75 h1.5; M14-Top Assembly "22" at 81.14,120.958 h1.3 r180; M14-Top Assembly "1" at 69.053,120.958 h1.3 r180
CN5: Top Overlay "2" at 165.95,62.225 h1.5 r90; Top Overlay "1" at 168.45,62.525 h1.5 r90; M14-Top Assembly "2" at 165.95,63.925 h1.5 r90; M14-Top Assembly "1" at 168.5,64.075 h1.5 r90; M14-Top Assembly "40" at 165.913,111.837 h1.5 r90; M14-Top Assembly "39" at 168.453,111.837 h1.5 r90
CN6: Top Overlay "1" at 9.625,105.65 h1.5; M14-Top Assembly "1" at 8.338,107.475 h1.5 r180
CN7: Top Overlay "1" at 22.675,106.55 h1.5; M14-Top Assembly "1" at 21.338,107.475 h1.5 r180
CN8: Top Overlay "1" at 35.675,106.525 h1.5; M14-Top Assembly "1" at 34.338,107.475 h1.5 r180
CN9: Top Overlay "5" at 12.2,81.405 h1.5 r270; Top Overlay "9" at 9.625,82.805 h1.5 r270; Top Overlay "6" at 9.625,93.98 h1.5 r270; Top Overlay "1" at 12.225,94.94 h1.5 r270; Top Overlay "1" at 14.725,93.255 h1.5; M14-Top Assembly "9" at 9.7,84.155 h1.5 r270; M14-Top Assembly "8" at 9.75,86.905 h1.5 r270; M14-Top Assembly "7" at 9.725,89.68 h1.5 r270; M14-Top Assembly "6" at 9.75,92.455 h1.5 r270; M14-Top Assembly "5" at 12.275,82.755 h1.5 r270; M14-Top Assembly "4" at 12.3,85.605 h1.5 r270; M14-Top Assembly "3" at 12.275,88.28 h1.5 r270; M14-Top Assembly "2" at 12.3,91.105 h1.5 r270; M14-Top Assembly "1" at 12.25,93.68 h1.5 r270
CN10: Top Overlay "2" at 151.375,79.335 h1.5 r90; Top Overlay "1" at 153.875,79.635 h1.5 r90; M14-Top Assembly "14" at 151.347,95.935 h1.5 r90; M14-Top Assembly "13" at 153.865,95.99 h1.5 r90; M14-Top Assembly "2" at 151.375,81.035 h1.5 r90; M14-Top Assembly "1" at 153.925,81.185 h1.5 r90
CN11: Top Overlay "5" at 12.2,45.61 h1.5 r270; Top Overlay "9" at 9.625,47.01 h1.5 r270; Top Overlay "6" at 9.625,58.185 h1.5 r270; Top Overlay "1" at 12.225,59.145 h1.5 r270; Top Overlay "1" at 14.725,57.46 h1.5; M14-Top Assembly "9" at 9.7,48.36 h1.5 r270; M14-Top Assembly "8" at 9.75,51.11 h1.5 r270; M14-Top Assembly "7" at 9.725,53.885 h1.5 r270; M14-Top Assembly "6" at 9.75,56.66 h1.5 r270; M14-Top Assembly "5" at 12.275,46.96 h1.5 r270; M14-Top Assembly "4" at 12.3,49.81 h1.5 r270; M14-Top Assembly "3" at 12.275,52.485 h1.5 r270; M14-Top Assembly "2" at 12.3,55.31 h1.5 r270; M14-Top Assembly "1" at 12.25,57.885 h1.5 r270
CN12: Top Overlay "1" at 65.6,64.875 h1.5; M14-Top Assembly "1" at 67.075,65.35 h1 r270; M14-Top Assembly "2" at 67.075,63.35 h1 r270
CN13: Top Overlay "1" at 138.475,57.275 h1.5 r90; Top Overlay "2" at 148.8,57 h1.5 r90; Top Overlay "51" at 139.025,31.75 h1.5 r90; Top Overlay "52" at 148.85,31 h1.5 r90; M14-Top Assembly "52" at 146.025,33.95 h1.5 r270; M14-Top Assembly "2" at 145.975,56.55 h1.5 r270; M14-Top Assembly "51" at 139.6,34.225 h1.5 r270; M14-Top Assembly "1" at 139.75,57 h1.5 r270
CN14: Top Overlay "1" at 33.165,37.5 h1.5; M14-Top Assembly "1" at 34.815,37.5 h1.5; M14-Top Assembly "4" at 42.24,37.55 h1.5
CN15: Top Overlay "B12" at 164.9,16.325 h1.3; Top Overlay "A1" at 162.31,17.8 h1.3 r90; Top Overlay "A12" at 162.26,25.225 h1.3 r90; Top Overlay "B1" at 164.1,27.05 h1.3; M14-Top Assembly "A12" at 163.035,24.5 h0.75 r90; M14-Top Assembly "A1" at 163.01,19.075 h0.75 r90; M14-Top Assembly "B1" at 164.66,24.55 h0.75 r90; M14-Top Assembly "B12" at 164.685,18.63 h0.75 r90; M7-Top Info "EDGE" at 171.365,28.4 h1 r90; M7-Top Info "PCB" at 171.365,13.825 h1 r90
CN16: Top Overlay "1" at 53.2,15.775 h1.5; M14-Top Assembly "10" at 67.125,13.3 h1.5; M14-Top Assembly "2" at 57.225,13.325 h1.5; M14-Top Assembly "9" at 66.15,15.825 h1.5; M14-Top Assembly "1" at 56.1,15.9 h1.5; M14-Top Assembly "Y" at 66.786,5.74 h1.5; M14-Top Assembly "G" at 56.201,5.74 h1.5; M7-Top Info "PCB" at 45.4,-0.725 h1; M7-Top Info "EDGE" at 76.2,-0.725 h1
CN17: Top Overlay "1" at 78.2,15.775 h1.5; M14-Top Assembly "G" at 81.201,5.74 h1.5; M14-Top Assembly "Y" at 91.786,5.74 h1.5; M14-Top Assembly "1" at 81.1,15.9 h1.5; M14-Top Assembly "9" at 91.15,15.825 h1.5; M14-Top Assembly "2" at 82.225,13.325 h1.5; M14-Top Assembly "10" at 92.125,13.3 h1.5; M7-Top Info "EDGE" at 101.2,-0.725 h1; M7-Top Info "PCB" at 70.4,-0.725 h1
CN18: Top Overlay "1" at 103.2,15.775 h1.5; M14-Top Assembly "10" at 117.125,13.3 h1.5; M14-Top Assembly "2" at 107.225,13.325 h1.5; M14-Top Assembly "9" at 116.15,15.825 h1.5; M14-Top Assembly "1" at 106.1,15.9 h1.5; M14-Top Assembly "Y" at 116.786,5.74 h1.5; M14-Top Assembly "G" at 106.201,5.74 h1.5; M7-Top Info "PCB" at 95.4,-0.725 h1; M7-Top Info "EDGE" at 126.2,-0.725 h1
CN19: Top Overlay "1" at 137.825,17.015 h1.5 r90; M14-Top Assembly "1" at 137.3,14.115 h1.5; M14-Top Assembly "2" at 139.65,14.165 h1.5; M14-Top Assembly "3" at 141.675,14.115 h1.5; M14-Top Assembly "4" at 144.1,14.14 h1.5; M14-Top Assembly "5" at 137.15,11.515 h1.5; M14-Top Assembly "6" at 139.675,11.515 h1.5; M14-Top Assembly "7" at 141.675,11.515 h1.5; M14-Top Assembly "8" at 144.175,11.49 h1.5
CN20: Top Overlay "1" at 18.35,15.175 h1.5 r90; M14-Top Assembly "1" at 17.5,12.8 h1.5 r270; M14-Top Assembly "2" at 20.75,11.15 h1.5 r270; M14-Top Assembly "3" at 17.45,7.7 h1.5 r270; M7-Top Info "PCB" at 24.4,-0.1 h1 r180; M7-Top Info "EDGE" at 13.2,-0.1 h1 r180
CN21: M14-Top Assembly "B12" at 38.52,7.325 h0.75; M14-Top Assembly "B1" at 44.44,7.35 h0.75; M14-Top Assembly "A1" at 38.965,9 h0.75; M14-Top Assembly "A12" at 44.39,8.975 h0.75; M7-Top Info "PCB" at 33.715,0.645 h1; M7-Top Info "EDGE" at 48.29,0.645 h1
CN22: Top Overlay "2" at 69.35,49.775 h1.5 r270; Top Overlay "1" at 64.65,49.475 h1.5 r270; M14-Top Assembly "2" at 69.375,48.875 h1 r270; M14-Top Assembly "9" at 64.975,43.775 h1 r270; M14-Top Assembly "10" at 69.375,44.025 h1 r270; M14-Top Assembly "1" at 64.975,48.775 h1 r270
CN25: M15-Bottom Assembly "PWM" at 42.34,62.461 h1.78; M15-Bottom Assembly "AN" at 57.705,62.461 h1.78; M15-Bottom Assembly "+5V" at 41.471,47.221 h1.78; M15-Bottom Assembly "GND" at 42.055,44.681 h1.78; M15-Bottom Assembly "TX" at 40.679,54.841 h1.78; M15-Bottom Assembly "RX" at 40.768,57.381 h1.78; M15-Bottom Assembly "INT" at 41.077,59.921 h1.78; M15-Bottom Assembly "SCL" at 41.662,52.301 h1.78; M15-Bottom Assembly "GND" at 57.705,44.681 h1.78; M15-Bottom Assembly "+3.3V" at 57.705,47.221 h1.78; M15-Bottom Assembly "MOSI" at 57.705,49.761 h1.78; M15-Bottom Assembly "SCK" at 57.705,54.841 h1.78; M15-Bottom Assembly "MISO" at 57.705,52.301 h1.78; M15-Bottom Assembly "CS" at 57.705,57.381 h1.78; M15-Bottom Assembly "RST" at 57.705,59.921 h1.78; M15-Bottom Assembly "SDA" at 41.895,49.761 h1.78; M15-Bottom Assembly "1" at 59.851,62.434 h1.78; M15-Bottom Assembly "8" at 59.973,44.698 h1.78; M15-Bottom Assembly "16" at 37.552,62.463 h1.78; M15-Bottom Assembly "9" at 37.184,44.713 h1.78; Bottom Overlay "PWM" at 42.84,62.461 h1.78; Bottom Overlay "AN" at 56.83,62.461 h1.78; Bottom Overlay "+5V" at 41.971,47.221 h1.78; Bottom Overlay "GND" at 42.555,44.681 h1.78; Bottom Overlay "TX" at 41.179,54.841 h1.78; Bottom Overlay "RX" at 41.268,57.381 h1.78; Bottom Overlay "INT" at 41.577,59.921 h1.78; Bottom Overlay "SCL" at 42.162,52.301 h1.78; Bottom Overlay "GND" at 56.83,44.681 h1.78; Bottom Overlay "+3.3V" at 56.83,47.221 h1.78; Bottom Overlay "MOSI" at 56.83,49.761 h1.78; Bottom Overlay "SCK" at 56.83,54.841 h1.78; Bottom Overlay "MISO" at 56.83,52.301 h1.78; Bottom Overlay "CS" at 56.83,57.381 h1.78; Bottom Overlay "RST" at 56.48,59.921 h1.78; Bottom Overlay "SDA" at 42.395,49.761 h1.78
D1: M14-Top Assembly "K" at 100.805,109.1 h1.2 r180
D2: M14-Top Assembly "K" at 31.925,37.525 h1.2
D3: M14-Top Assembly "K" at 31.92,35.625 h1.2
D5: M15-Bottom Assembly "K" at 103.775,90.725 h1.2 r270
JP1: Top Overlay "1" at 25.6,92.3 h1.5; M14-Top Assembly "1" at 24.344,93.296 h1.5 r180
JP2: Top Overlay "1" at 21.83,50.875 h1.5 r90; M14-Top Assembly "1" at 21.88,52.425 h1.5 r90
JP3: Top Overlay "1" at 28.025,20.42 h1.5 r90; M14-Top Assembly "1" at 28.075,21.97 h1.5 r90
JP4: Top Overlay "1" at 20.2,16.885 h1.5 r90; M14-Top Assembly "1" at 20.225,18.51 h1.5 r90
LD1: M14-Top Assembly "K" at 20.797,121.725 h0.75 r270
LD2: M14-Top Assembly "K" at 26.537,113.5 h0.75 r90
LD3: M14-Top Assembly "K" at 13.613,113.5 h0.75 r90
LD4: M14-Top Assembly "K" at 8.523,121.7 h0.75 r270
LD5: M14-Top Assembly "R" at 47.425,35.95 h1.5; M14-Top Assembly "G" at 46.125,35.9 h1.5
LD6: M14-Top Assembly "G" at 50.325,35.925 h1.5; M14-Top Assembly "R" at 51.6,35.925 h1.5
LD7: M14-Top Assembly "K" at 55.1,32.345 h0.75 r90
LD8: M14-Top Assembly "K" at 80.1,32.345 h0.75 r90
LD9: M14-Top Assembly "K" at 105.1,32.345 h0.75 r90
LD10: M14-Top Assembly "K" at 152.8,27.5 h0.75 r180
LD11: M14-Top Assembly "K" at 14.125,17.1 h0.75 r180
LD12: M14-Top Assembly "K" at 122.925,39.225 h0.75 r90
LED2: M14-Top Assembly "K" at 151,27 h0.75
Q5: Top Overlay "1" at 157,13.75 h1.2; M14-Top Assembly "1" at 156.395,13.125 h1.2
U1: M14-Top Assembly "K" at 55.375,127.425 h0.45 r180
U2: M14-Top Assembly "K" at 38,126.9 h0.45 r180
U3: M14-Top Assembly "K" at 52.988,126.3 h0.45
U4: M14-Top Assembly "K" at 38.55,125.325 h0.45 r180
U5: Top Overlay "1" at 47.15,122.95 h1.4
U6: Top Overlay "1" at 50.625,123.125 h1.4
U7: Top Overlay "1" at 51.525,122.625 h1.4
U10: M14-Top Assembly "K" at 10.923,119.138 h0.45 r270
U11: M14-Top Assembly "K" at 73.91,118.575 h0.45 r270
U12: M14-Top Assembly "K" at 74.71,118.575 h0.45 r270
U13: M14-Top Assembly "K" at 75.51,118.575 h0.45 r270
U14: M14-Top Assembly "K" at 76.31,118.575 h0.45 r270
U15: M14-Top Assembly "K" at 77.11,118.575 h0.45 r270
U16: M14-Top Assembly "K" at 77.91,118.575 h0.45 r270
U17: Top Overlay "1" at 70.475,117.875 h1.4
U18: Top Overlay "1" at 72.65,117.875 h1.4
U19: M14-Top Assembly "K" at 16.088,108.875 h0.45 r180
U20: M14-Top Assembly "K" at 29.088,108.875 h0.45 r180
U21: M14-Top Assembly "K" at 3.075,108.713 h0.45 r180
U22: Top Overlay "A2" at 98.125,104.975 h1.5; M14-Top Assembly "A2" at 101.642,105.236 h0.75; M14-Top Assembly "E1" at 100.762,101.236 h0.75; M14-Top Assembly "D1" at 100.747,102.236 h0.75; M14-Top Assembly "C1" at 100.706,103.236 h0.75; M14-Top Assembly "B1" at 100.747,104.236 h0.75; M14-Top Assembly "A5" at 104.667,105.236 h0.75; M14-Top Assembly "A4" at 103.66,105.261 h0.75; M14-Top Assembly "A3" at 102.642,105.236 h0.75
U23: M14-Top Assembly "8" at 24.354,96.611 h1.5 r180; M14-Top Assembly "5" at 20.529,96.636 h1.5 r180; M14-Top Assembly "4" at 20.554,101.836 h1.5 r180; M14-Top Assembly "1" at 24.229,101.811 h1.5 r180
U24: Top Overlay "A1" at 105.975,86.1 h1.5; M14-Top Assembly "A1" at 107.025,87.2 h0.5
U26: Top Overlay "1" at 44.625,74.602 h1.5 r90; M14-Top Assembly "1" at 45.25,75.527 h0.5 r90; M14-Top Assembly "14" at 50.45,75.452 h0.5 r90; M14-Top Assembly "15" at 50.875,75.777 h0.5 r90; M14-Top Assembly "28" at 50.9,80.977 h0.5 r90; M14-Top Assembly "29" at 50.45,81.352 h0.5 r90; M14-Top Assembly "42" at 45.25,81.377 h0.5 r90; M14-Top Assembly "43" at 44.825,80.977 h0.5 r90; M14-Top Assembly "56" at 44.825,75.752 h0.5 r90
U27: M14-Top Assembly "A1" at 85.35,80.6 h0.4; M14-Top Assembly "A22" at 101.875,80.6 h0.4; M14-Top Assembly "AB22" at 101.7,63.8 h0.4; M14-Top Assembly "AB1" at 85.2,63.8 h0.4
U28: M14-Top Assembly "A1" at 140.125,75.5 h0.75 r270
U29: M14-Top Assembly "A1" at 122.5,68.375 h0.75 r270
U30: Top Overlay "1" at 152.15,68.725 h1.5 r90
U31: M14-Top Assembly "8" at 25.14,52.36 h1.5 r90; M14-Top Assembly "5" at 25.165,56.185 h1.5 r90; M14-Top Assembly "4" at 30.365,56.16 h1.5 r90; M14-Top Assembly "1" at 30.34,52.485 h1.5 r90
U33: M14-Top Assembly "15" at 106.75,45.665 h0.4; M14-Top Assembly "14" at 105.325,45.465 h0.4 r270; M14-Top Assembly "12" at 105.325,46.465 h0.4 r270; M14-Top Assembly "11" at 106.025,46.79 h0.4; M14-Top Assembly "8" at 107.6,46.79 h0.4; M14-Top Assembly "7" at 108.525,46.215 h0.4 r90; M14-Top Assembly "5" at 108.525,45.215 h0.4 r90; M14-Top Assembly "4" at 107.575,44.54 h0.4; M14-Top Assembly "1" at 106.125,44.54 h0.4
U34: Top Overlay "1" at 125.775,27.875 h1.5 r90
U36: M14-Top Assembly "A1" at 34.775,29.225 h0.75
U37: Top Overlay "1" at 12.075,24.2 h1.5; M14-Top Assembly "9" at 14.375,26.3 h0.65; M14-Top Assembly "1" at 13.225,24.55 h0.65; M14-Top Assembly "4" at 15.575,24.55 h0.65; M14-Top Assembly "5" at 15.575,28.05 h0.65; M14-Top Assembly "8" at 13.2,28.025 h0.65
U38: Top Overlay "1" at 59.425,22.6 h1.5 r90; M14-Top Assembly "41" at 61.55,25.325 h0.5 r90; M14-Top Assembly "1" at 59.75,23.2 h0.5 r90; M14-Top Assembly "10" at 63.35,23.1 h0.5 r90; M14-Top Assembly "11" at 63.85,23.575 h0.5 r90; M14-Top Assembly "20" at 63.85,27.125 h0.5 r90; M14-Top Assembly "21" at 63.35,27.6 h0.5 r90; M14-Top Assembly "30" at 59.75,27.55 h0.5 r90; M14-Top Assembly "31" at 59.275,27.15 h0.5 r90; M14-Top Assembly "40" at 59.275,23.6 h0.5 r90
U39: Top Overlay "1" at 84.425,22.6 h1.5 r90; M14-Top Assembly "31" at 84.275,27.15 h0.5 r90; M14-Top Assembly "41" at 86.55,25.325 h0.5 r90; M14-Top Assembly "1" at 84.75,23.2 h0.5 r90; M14-Top Assembly "10" at 88.35,23.1 h0.5 r90; M14-Top Assembly "11" at 88.85,23.575 h0.5 r90; M14-Top Assembly "20" at 88.85,27.125 h0.5 r90; M14-Top Assembly "21" at 88.35,27.6 h0.5 r90; M14-Top Assembly "30" at 84.75,27.55 h0.5 r90; M14-Top Assembly "40" at 84.275,23.6 h0.5 r90